# Altium PCB norbi_lm_#1.PcbDoc (part 3 of 5) (continued)
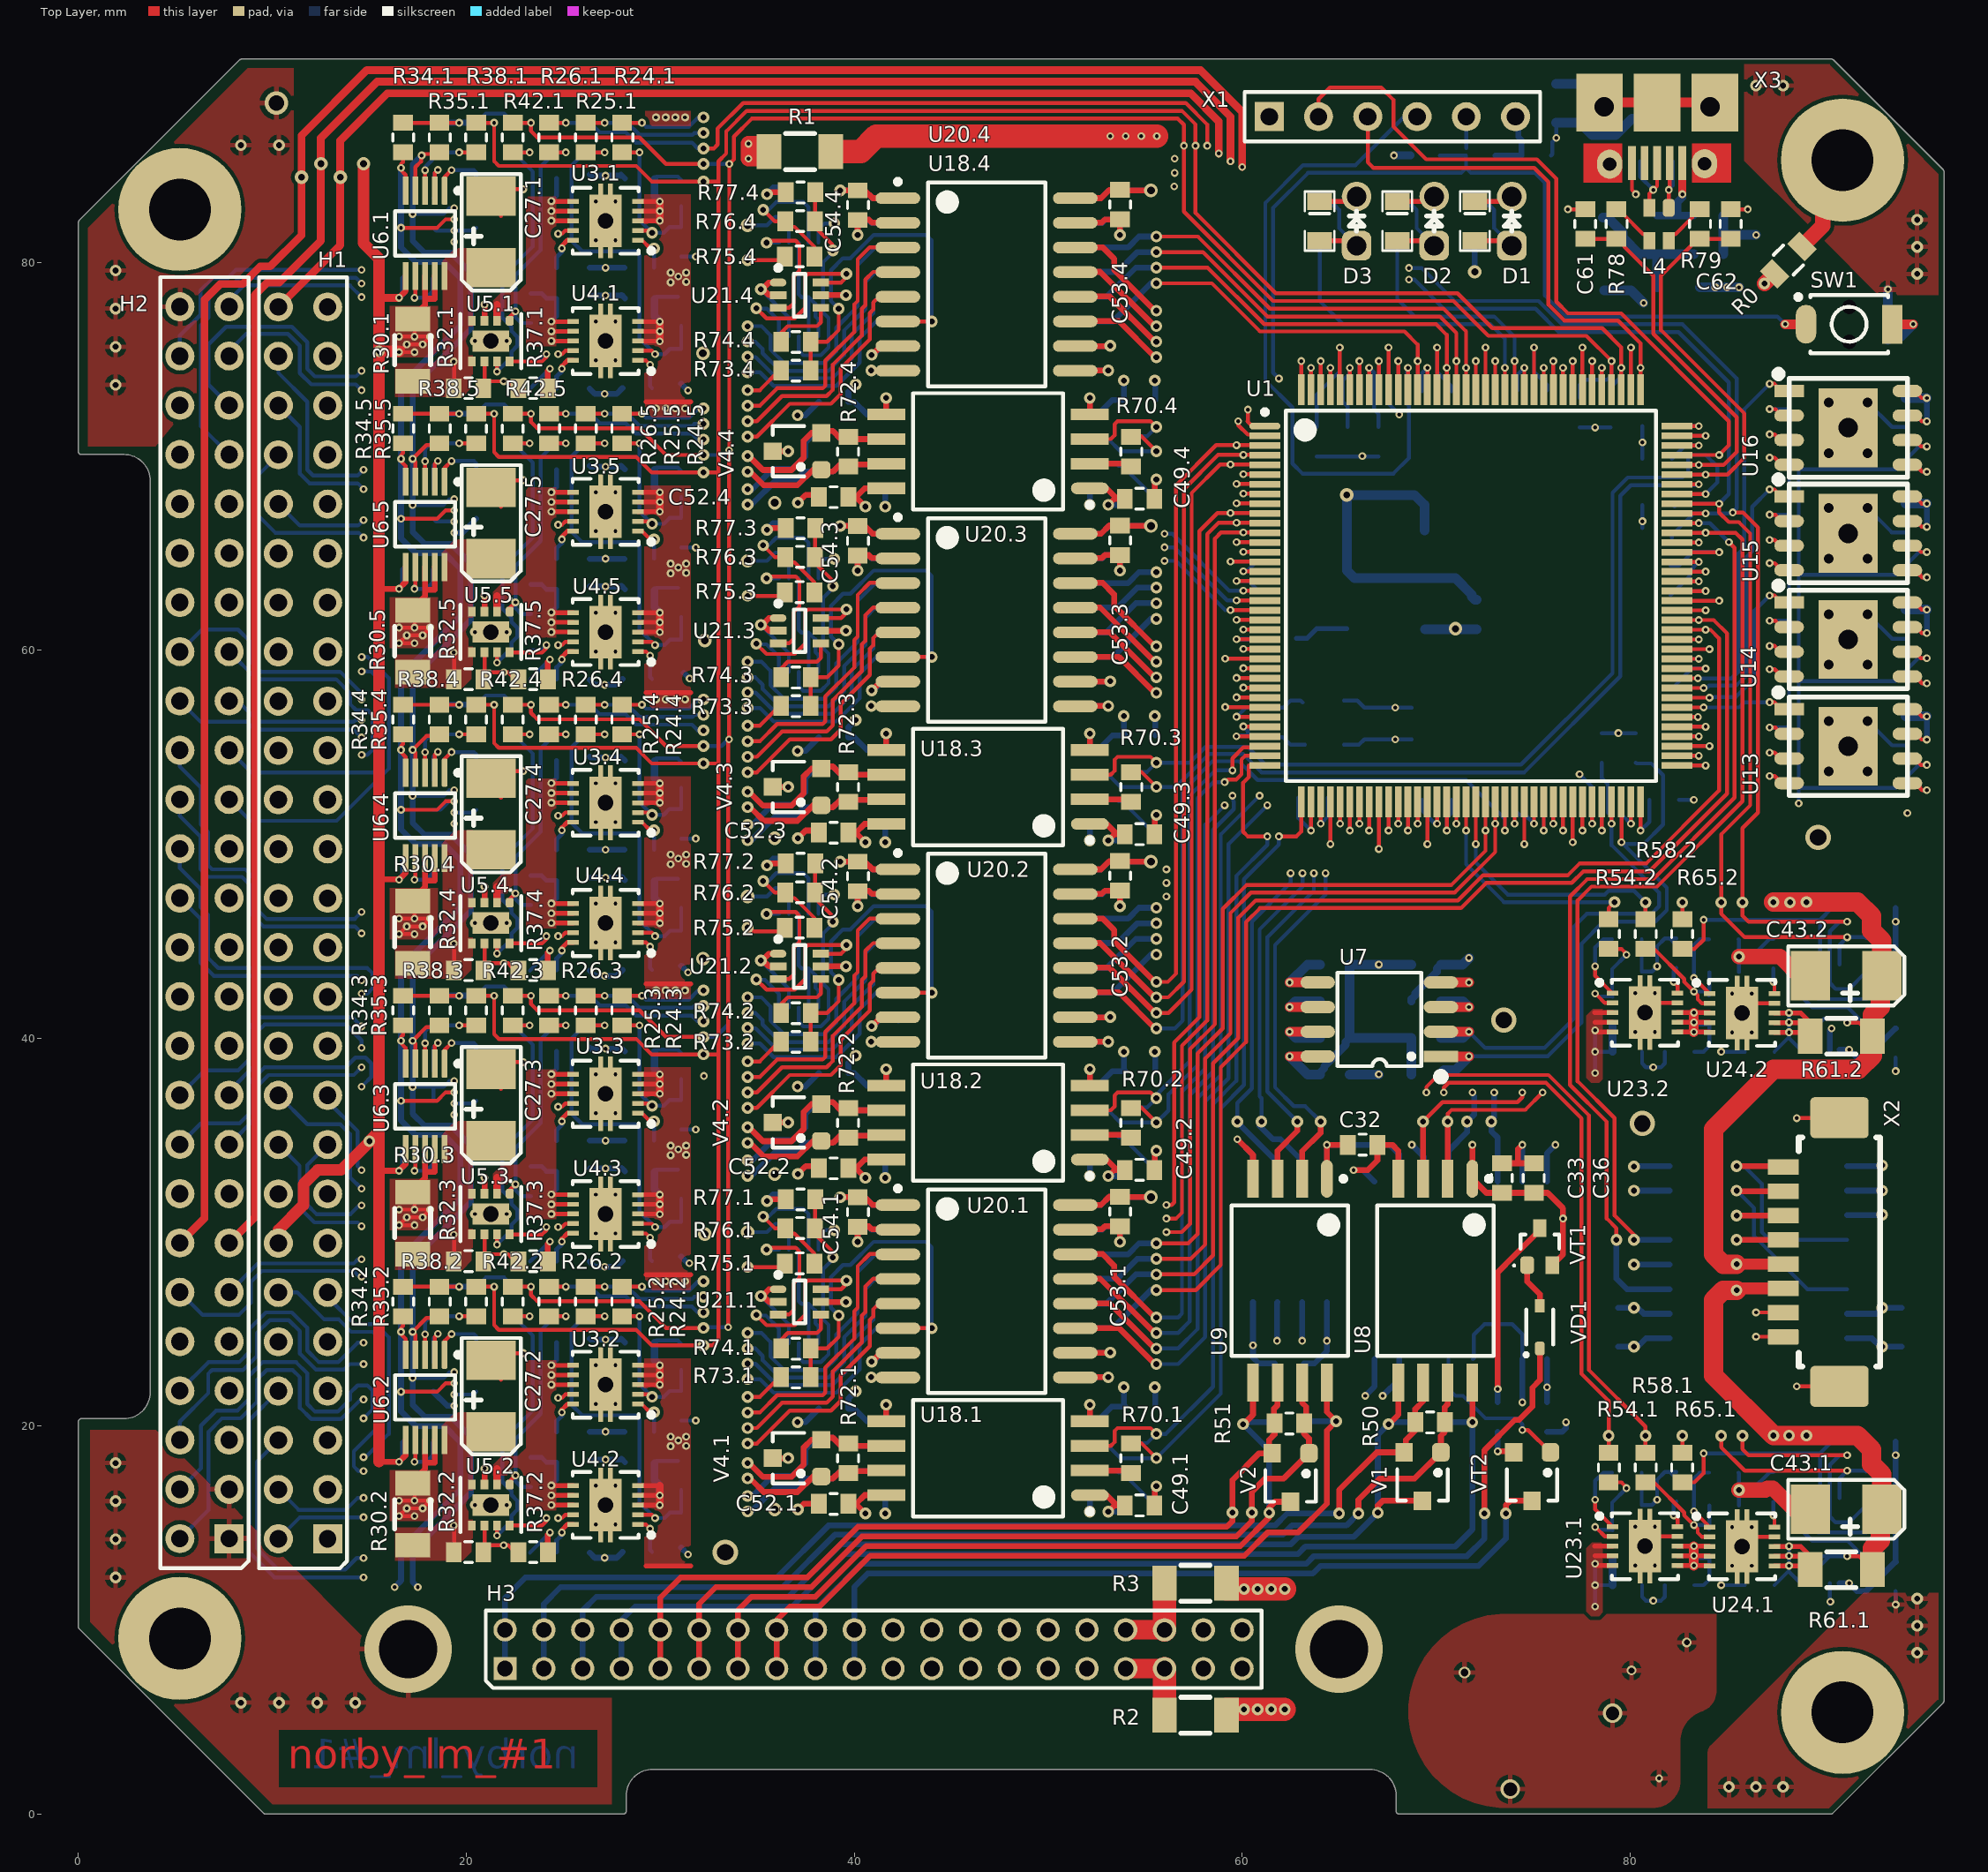
[diagram p0: Top Layer view]
## Nets (pads, with @x,y where several pads share a name; then routed paths per layer and width w, separated by ;. In a path a pad name is that pad's centre, name@x,y a point inside that pad or via, vN(x,y) a via of type N, cw(c..) or ccw(c..) an arc to the next point about the centre after c; other vN are vias at no path point) (continued)
  Top Layer w0.3: U5.2.3@20.937,16.982 v1(20.937,17.812) ; U5.3.3@20.937,31.982 v1(20.937,32.812) ; U5.4.3@20.937,46.982 v1(20.937,47.812) ; U5.5.3@20.937,61.982 v1(20.937,62.812) ; U5.1.3@20.937,76.982 v1(20.937,77.812) ; R37.2.1@24.202,13.493 24.202,14.402 v1(24.312,14.512) ; R37.3.1@24.202,28.493 24.202,29.402 v1(24.312,29.512) ; R37.4.1@24.202,43.493 24.202,44.402 v1(24.312,44.512) ; R37.5.1@24.202,58.493 24.202,59.402 v1(24.312,59.512) ; R37.1.1@24.202,73.493 24.202,74.402 v1(24.312,74.512) ; v2(35.5,31.6) 35.6,31.6 35.7,31.7 R77.1.1@36.476,31.7 R77.1.1@36.352,31.824 ; v2(35.5,48.9) 35.6,48.9 35.7,49 R77.2.1@36.476,49 R77.2.1@36.352,49.124 ; v2(35.5,66.2) 35.6,66.2 35.7,66.3 R77.3.1@36.476,66.3 R77.3.1@36.352,66.424 ; v2(35.5,83.5) 35.6,83.5 35.7,83.6 R77.4.1@36.476,83.6 R77.4.1@36.352,83.724 ; V4.1.3@35.8,18.35 v2(36.6,18.35) ; V4.2.3@35.8,35.65 v2(36.6,35.65) ; V4.3.3@35.8,52.95 v2(36.6,52.95) ; V4.4.3@35.8,70.25 v2(36.6,70.25) ; U21.1.2@36.081,26.4 35.608,26.4 35.281,26.727 35.604,27.05 U21.1.1@36.081,27.05 ; U21.2.2@36.081,43.7 35.608,43.7 35.281,44.027 35.604,44.35 U21.2.1@36.081,44.35 ; U21.3.2@36.081,61 35.608,61 35.281,61.327 35.604,61.65 U21.3.1@36.081,61.65 ; U21.4.2@36.081,78.3 35.608,78.3 35.281,78.627 35.604,78.95 U21.4.1@36.081,78.95 ; v2(37.1,15.7) 37.4,16 C52.1.1@38.176,16 ; v2(37.1,33) 37.5,33.4 38.076,33.4 C52.2.1@38.176,33.3 ; v2(37.1,50.3) 37.5,50.7 38.076,50.7 C52.3.1@38.176,50.6 ; v2(37.1,67.6) 37.5,68 38.076,68 C52.4.1@38.176,67.9 ; v2(40.178,29.5) C54.1.1@40.178,30.276 40.178,30.3 40.75,30.3 40.91,30.14 42.23,30.14 U20.1.2@42.35,30.02 ; v2(40.178,46.8) C54.2.1@40.178,47.576 40.178,47.6 40.75,47.6 40.91,47.44 42.23,47.44 U20.2.2@42.35,47.32 ; v2(40.178,64.1) C54.3.1@40.178,64.876 40.178,64.9 40.75,64.9 40.91,64.74 42.23,64.74 U20.3.2@42.35,64.62 ; v2(40.178,81.4) C54.4.1@40.178,82.176 40.178,82.2 40.75,82.2 40.91,82.04 42.23,82.04 U20.4.2@42.35,81.92 ; v2@40.878,22.5 41.278,22.5 41.378,22.4 U20.1.8@42.35,22.4 ; v2@40.878,39.8 41.278,39.8 41.378,39.7 U20.2.8@42.35,39.7 ; v2@40.878,57.1 41.278,57.1 41.378,57 U20.3.8@42.35,57 ; v2@40.878,74.4 41.278,74.4 41.378,74.3 U20.4.8@42.35,74.3 ; U18.1.5@41.65,20.25 v2(41.65,21.1) ; U18.2.5@41.65,37.55 v2(41.65,38.4) ; U18.3.5@41.65,54.85 v2(41.65,55.7) ; U18.4.5@41.65,72.15 v2(41.65,73) ; U20.1.9@51.5,22.4 51.62,22.52 v2(53.1,22.52) ; U20.1.15@51.5,30.02 51.62,30.14 52.76,30.14 52.92,30.3 C53.1.1@53.7,30.3 v2(53.7,29.5) ; U20.2.9@51.5,39.7 51.62,39.82 v2(53.1,39.82) ; U20.2.15@51.5,47.32 51.62,47.44 52.76,47.44 52.92,47.6 C53.2.1@53.7,47.6 v2(53.7,46.8) ; U20.3.9@51.5,57 51.62,57.12 v2(53.1,57.12) ; U20.3.15@51.5,64.62 51.62,64.74 52.76,64.74 52.92,64.9 C53.3.1@53.7,64.9 v2(53.7,64.1) ; U20.4.9@51.5,74.3 51.62,74.42 v2(53.1,74.42) ; U20.4.15@51.5,81.92 51.62,82.04 52.76,82.04 52.92,82.2 C53.4.1@53.7,82.2 v2(53.7,81.4) ; U18.1.4@52.15,20.25 v2(52.15,21.1) ; U18.2.4@52.15,37.55 v2(52.15,38.4) ; U18.3.4@52.15,54.85 v2(52.15,55.7) ; U18.4.4@52.15,72.15 v2(52.15,73) ; v2@55.5,16.666 55.5,15.924 C49.1.1@55.524,15.9 ; v2@55.5,33.966 55.5,33.224 C49.2.1@55.524,33.2 ; v2@55.5,51.266 55.5,50.524 C49.3.1@55.524,50.5 ; v2@55.5,68.566 55.5,67.824 C49.4.1@55.524,67.8 ; v1(59.75,34.788) 60.56,33.978 U9.4@60.56,32.75 ; v1(65.75,33.2) 66.474,33.2 66.974,33.7 C32.1@66.974,34.5 67.75,34.5 68.06,34.19 U8.4@68.06,32.75 ; v1(73.18,18.7) 73.95,18.7 VT2.2@74,18.65 ; C33.1@73.4,33.55 74.225,33.55 ; v1(74.45,34.5) 74.225,34.275 74.225,33.55 ; C36.1@75.05,33.55 74.225,33.55
  Top Layer w0.5: U7.4@70.25,42.87 v1(71.7,42.87)
  Top Layer w0.8: v2(85.624,16.7) 86.984,16.7 87.084,16.8 87.367,16.8 88.5,15.667 89.001,15.667 89.3,15.966 C43.1.2@89.3,15.712 ; v2(85.624,44.2) 87.734,44.2 88.884,43.05 89.3,43.466 C43.2.2@89.3,43.212 ; v2(86.93,78.9) 87.43,79.4 R0.2@87.46,79.4
  Bottom Layer w0.2: v1(17.332,18.161) 17.932,18.161 18.256,18.485 C29.2.1@18.256,19.161 ; v1(17.332,33.161) 17.932,33.161 18.256,33.485 C29.3.1@18.256,34.161 ; v1(17.332,48.161) 17.932,48.161 18.256,48.485 C29.4.1@18.256,49.161 ; v1(17.332,63.161) 17.932,63.161 18.256,63.485 C29.5.1@18.256,64.161 ; v1(17.332,78.161) 17.932,78.161 18.256,78.485 C29.1.1@18.256,79.161 ; R39.5.1@18.299,66.771 18.441,66.628 v1(19.378,66.628) ; R39.1.1@18.299,81.771 18.441,81.628 v1(19.378,81.628) 20.375,81.628 R40.1.1@20.517,81.771 ; v1(19.378,21.628) 20.375,21.628 R40.2.1@20.517,21.771 ; v1(19.378,36.628) 20.375,36.628 R40.3.1@20.517,36.771 ; v1(19.378,51.628) 20.375,51.628 R40.4.1@20.517,51.771 ; C28.2.1@23.278,13.478 C28.2.1@23.312,13.512 v1(24.312,14.512) ; C28.3.1@23.278,28.478 C28.3.1@23.312,28.512 v1(24.312,29.512) ; C28.4.1@23.278,43.478 C28.4.1@23.312,43.512 v1(24.312,44.512) ; C28.5.1@23.278,58.478 C28.5.1@23.312,58.512 v1(24.312,59.512) ; C28.1.1@23.278,73.478 C28.1.1@23.312,73.512 v1(24.312,74.512) ; v1(27.132,87.185) 28.308,87.185 28.932,86.561 31.659,86.561 31.759,86.661 v2(32.232,86.661) ; v1(29.057,87.185) 29.261,86.981 31.479,86.981 31.959,87.461 32.058,87.362 32.157,87.461 v2(32.232,87.461) ; R22.2.2@31.078,20.288 v1(31.832,20.288) ; R22.3.2@31.078,35.288 v1(31.832,35.288) ; R22.4.2@31.078,50.288 v1(31.832,50.288) ; R22.5.2@31.078,65.288 v1(31.832,65.288) ; R22.1.2@31.078,80.288 v1(31.832,80.288) ; v2(35.181,26.7) 36.632,25.249 U22.1.9@36.632,24.279 ; v2(35.181,44) 36.632,42.549 U22.2.9@36.632,41.579 ; v2(35.181,61.3) 36.632,59.849 U22.3.9@36.632,58.879 ; v2(35.181,78.6) 36.632,77.149 U22.4.9@36.632,76.179 ; U22.1.5@38.156,29.105 38.156,29.778 38.478,30.1 v2(38.978,30.1) ; U22.2.5@38.156,46.405 38.156,47.078 38.478,47.4 v2(38.978,47.4) ; U22.3.5@38.156,63.705 38.156,64.378 38.478,64.7 v2(38.978,64.7) ; U22.4.5@38.156,81.005 38.156,81.678 38.478,82 v2(38.978,82) ; v1(60.066,64.066) 60.242,64.066 60.8,64.624 C14.1@61.4,64.624 ; C17.1@62.9,52.4 62.9,51.35 v1(63.55,50.7) ; L2.2@65.245,57.4 65.94,57.4 66.3,57.04 v1(67.9,57.04) 68.734,57.04 C7.1@68.75,57.024 ; R7.1@67.574,73.35 67.574,72.676 v1(68.1,72.15) ; C18.1@69.276,52.278 69.276,51.724 69.95,51.05 v1(70.05,51.05) ; GK1.2@69.4,61.1 GK1.2@69.424,61.076 ; v1(70.05,75.6) 70.05,74.35 70.8,73.6 C16.1@70.8,73.35 ; U11.4@71.91,23.45 71.949,23.489 71.949,24.709 72.5,25.26 73.926,25.26 74.45,24.736 U11.2@74.45,23.45 ; C13.1@74,52.3 74,51.812 74.3,51.512 74.588,51.512 v1(75.05,51.05) ; v1(75.05,75.6) 75.05,74.35 75.724,73.676 C15.1@75.724,73.4 ; C5.1@75.924,85.5 75.991,85.567 75.991,86.191 v1(76.2,86.4) L5.2@76.2,87.2 ; v1(77.4,53.6) 78.1,52.9 C2.1@78.1,52.278 ; C58.2@78.6,78.617 C58.2@78.67,78.547 ; C40.1.1@80.6,17.6 R56.1.1@80.6,15.933 81.133,15.933 v1(81.4,16.2) 81.4,17.237 81.8,17.637 R55.1.1@82.4,17.637 ; C40.2.1@80.6,45.1 R56.2.1@80.6,43.433 81.133,43.433 v1(81.4,43.7) 81.4,44.737 81.8,45.137 R55.2.1@82.4,45.137 ; C38.1.1@80.624,11.8 80.624,11.2 80.824,11 81.6,11 81.8,11.2 C39.1.1@81.8,11.8 ; C38.2.1@80.624,39.3 80.624,38.7 80.824,38.5 81.6,38.5 81.8,38.7 C39.2.1@81.8,39.3 ; C1.1@80.645,69.867 C9.1@80.645,71.55 ; R55.1.1@82.084,17.6 R55.1.1@82.36,17.324 ; R55.2.1@82.084,45.1 R55.2.1@82.36,44.824 ; C10.1@82.1,62.837 83.071,63.807 83.071,64.071 v1(83.55,64.55) ; C11.1@82.169,58.026 83.2,59.057 83.2,59.066 83.884,59.066 v1(83.9,59.05) ; C12.1@82.52,52.278 v1(83.291,52.278) v1@83.295,52.274 ; v1(84.7,11.8) C41.1.1@85.926,11.8 ; v1(84.7,39.3) C41.2.1@85.926,39.3 ; C42.1.1@85.6,17.6 85.624,17.576 v2(85.624,16.7) ; C42.2.1@85.6,45.1 85.624,45.076 v2(85.624,44.2) ; R60.1.1@85.624,15.9 v2(85.624,16.7) ; R60.2.1@85.624,43.4 v2(85.624,44.2) ; R59.1.1@87.4,17.624 87.207,17.624 86.283,16.7 v2(85.624,16.7) ; R59.2.1@87.4,45.124 87.207,45.124 86.283,44.2 v2(85.624,44.2) ; U12.1.7@90.3,11.9 90.3,10.8 90.334,10.834 v1(90.334,10.95) ; U13.TP@92.252,56.35 93.509,55.093 94.183,55.093 C45.1@94.2,55.076 ; U14.TP@92.252,61.85 93.509,60.593 94.183,60.593 C46.1@94.2,60.576 ; U15.TP@92.252,67.32 93.496,66.076 C47.1@94.2,66.076 ; U16.TP@92.252,72.76 93.509,71.503 94.173,71.503 C48.1@94.2,71.476 ; v1(93.7,10.8) C44.1.1@93.7,11.5 ; v1(93.7,38.3) C44.2.1@93.7,39
  Bottom Layer w0.3: C25.2.1@26.354,18.282 v1(27.178,18.282) 27.972,18.282 28.002,18.312 C21.2.1@28.178,18.136 ; C23.2.1@26.354,24.512 26.405,24.461 v1(27.182,24.461) 27.927,24.461 27.978,24.512 C22.2.1@28.178,24.312 ; C25.3.1@26.354,33.282 v1(27.178,33.282) 27.972,33.282 28.002,33.312 C21.3.1@28.178,33.136 ; C23.3.1@26.354,39.512 26.405,39.461 v1(27.182,39.461) 27.927,39.461 27.978,39.512 C22.3.1@28.178,39.312 ; C25.4.1@26.354,48.282 v1(27.178,48.282) 27.972,48.282 28.002,48.312 C21.4.1@28.178,48.136 ; C23.4.1@26.354,54.512 26.405,54.461 v1(27.182,54.461) 27.927,54.461 27.978,54.512 C22.4.1@28.178,54.312 ; C25.5.1@26.354,63.282 v1(27.178,63.282) 27.972,63.282 28.002,63.312 C21.5.1@28.178,63.136 ; C23.5.1@26.354,69.512 26.405,69.461 v1(27.182,69.461) 27.927,69.461 27.978,69.512 C22.5.1@28.178,69.312 ; C25.1.1@26.354,78.282 v1(27.178,78.282) 27.972,78.282 28.002,78.312 C21.1.1@28.178,78.136 ; C23.1.1@26.354,84.512 26.405,84.461 v1(27.182,84.461) 27.927,84.461 27.978,84.512 C22.1.1@28.178,84.312 ; R29.2.1@26.357,13.478 26.624,13.212 v1(27.132,13.212) 27.754,13.212 C26.2.1@28.054,13.512 ; R23.2.1@26.357,19.712 v1(27.182,19.712) C24.2.1@28.154,19.712 ; R29.3.1@26.357,28.478 26.624,28.212 v1(27.132,28.212) 27.754,28.212 C26.3.1@28.054,28.512 ; R23.3.1@26.357,34.712 v1(27.182,34.712) C24.3.1@28.154,34.712 ; R29.4.1@26.357,43.478 26.624,43.212 v1(27.132,43.212) 27.754,43.212 C26.4.1@28.054,43.512 ; R23.4.1@26.357,49.712 v1(27.182,49.712) C24.4.1@28.154,49.712 ; R29.5.1@26.357,58.478 26.624,58.212 v1(27.132,58.212) 27.754,58.212 C26.5.1@28.054,58.512 ; R23.5.1@26.357,64.712 v1(27.182,64.712) C24.5.1@28.154,64.712 ; R29.1.1@26.357,73.478 26.624,73.212 v1(27.132,73.212) 27.754,73.212 C26.1.1@28.054,73.512 ; R23.1.1@26.357,79.712 v1(27.182,79.712) C24.1.1@28.154,79.712 ; R28.2.2@31.078,13.736 31.429,13.385 v1(31.432,13.385) ; R28.3.2@31.078,28.736 31.429,28.385 31.445,28.4 v1(31.5,28.4) ; R28.4.2@31.078,43.736 31.429,43.385 v1(31.432,43.385) ; R28.1.2@31.078,73.736 31.429,73.385 v1(31.432,73.385) ; R28.5.2@31.21,58.836 v1(31.51,58.536) ; v2@35.678,31.8 35.832,31.954 C57.1.1@36.61,31.954 ; v2@35.678,49.1 35.832,49.254 C57.2.1@36.61,49.254 ; v2@35.678,66.4 35.832,66.554 C57.3.1@36.61,66.554 ; v2@35.678,83.7 35.832,83.854 C57.4.1@36.61,83.854 ; V3.1.3@35.8,18.35 v2(36.6,18.35) ; V3.2.3@35.8,35.65 v2(36.6,35.65) ; V3.3.3@35.8,52.95 v2(36.6,52.95) ; V3.4.3@35.8,70.25 v2(36.6,70.25) ; v2(37.078,20.2) 37.476,20.2 C51.1.1@38.176,20.9 ; v2(37.078,37.5) 37.476,37.5 C51.2.1@38.176,38.2 ; v2(37.078,54.8) 37.476,54.8 C51.3.1@38.176,55.5 ; v2(37.078,72.1) 37.476,72.1 C51.4.1@38.176,72.8 ; v2(40.178,29.5) C55.1.1@40.178,30.3 40.716,30.3 40.891,30.125 U19.1.15@42.25,30.125 ; v2(40.178,46.8) C55.2.1@40.178,47.6 40.716,47.6 40.891,47.425 U19.2.15@42.25,47.425 ; v2(40.178,64.1) C55.3.1@40.178,64.9 40.716,64.9 40.891,64.725 U19.3.15@42.25,64.725 ; v2(40.178,81.4) C55.4.1@40.178,82.2 40.716,82.2 40.891,82.025 U19.4.15@42.25,82.025 ; v2(40.878,22.52) 41.278,22.52 41.378,22.42 U19.1.9@42.35,22.42 ; v2(40.878,39.82) 41.278,39.82 41.378,39.72 U19.2.9@42.35,39.72 ; v2(40.878,57.12) 41.278,57.12 41.378,57.02 U19.3.9@42.35,57.02 ; v2(40.878,74.42) 41.278,74.42 41.378,74.32 U19.4.9@42.35,74.32 ; v2(41.6,15.5) 41.6,16.39 U17.1.5@41.65,16.44 ; v2(41.6,32.8) 41.6,33.69 U17.2.5@41.65,33.74 ; v2(41.6,50.1) 41.6,50.99 U17.3.5@41.65,51.04 ; v2(41.6,67.4) 41.6,68.29 U17.4.5@41.65,68.34 ; U19.1.2@51.4,30.125 52.783,30.125 52.958,30.3 53.539,30.3 C56.1.1@53.7,30.139 ; U19.2.2@51.4,47.425 52.783,47.425 52.958,47.6 53.539,47.6 C56.2.1@53.7,47.439 ; U19.3.2@51.4,64.725 52.783,64.725 52.958,64.9 53.539,64.9 C56.3.1@53.7,64.739 ; U19.4.2@51.4,82.025 52.783,82.025 52.958,82.2 53.539,82.2 C56.4.1@53.7,82.039 ; U19.1.8@51.5,22.42 51.6,22.52 53,22.52 v2@53.1,22.42 ; U19.2.8@51.5,39.72 51.6,39.82 53,39.82 v2@53.1,39.72 ; U19.3.8@51.5,57.02 51.6,57.12 53,57.12 v2@53.1,57.02 ; U19.4.8@51.5,74.32 51.6,74.42 53,74.42 v2@53.1,74.32 ; v2(52.15,15.59) U17.1.4@52.15,16.415 U17.1.4@52.15,16.44 ; v2(52.15,32.89) U17.2.4@52.15,33.715 U17.2.4@52.15,33.74 ; v2(52.15,50.19) U17.3.4@52.15,51.015 U17.3.4@52.15,51.04 ; v2(52.15,67.49) U17.4.4@52.15,68.315 U17.4.4@52.15,68.34 ; v2(53.7,29.5) C56.1.1@53.7,30.3 ; v2(53.7,46.8) C56.2.1@53.7,47.6 ; v2(53.7,64.1) C56.3.1@53.7,64.9 ; v2(53.7,81.4) C56.4.1@53.7,82.2 ; v2(55.5,22) 55.5,22.031 55.524,22.055 C50.1.1@55.524,21 ; v2(55.5,39.3) 55.5,39.331 55.524,39.355 C50.2.1@55.524,38.3 ; v2(55.5,56.6) 55.5,56.631 55.524,56.655 C50.3.1@55.524,55.6 ; v2(55.5,73.9) 55.5,73.931 55.524,73.955 C50.4.1@55.524,72.9 ; v1(59.75,34.788) 60.56,33.978 U10.5@60.56,32.75 ; v1(65.75,33.2) 66.23,33.2 U11.9@66.83,32.6 ; v1(66.35,21.561) 66.83,22.041 U11.8@66.83,23.45 ; v1(68.75,34.5) 69.37,33.88 U11.11@69.37,32.6 ; v1(73.18,18.7) R52.2@73.18,19.7 ; v1(74.45,21.224) U11.2@74.45,23.45 ; U11.15@74.45,32.6 v1(74.45,34.5) ; C37.1@75.72,19.7 76.5,19.7 76.7,19.9 v1(76.7,20.2) ; C20.1@79.395,26.1 v2(80.2,26.1) 80.4,26.1 80.71,25.79 U2.2@82.05,25.79 ; v2@80.25,33.41 U2.8@82.05,33.41 ; v2@80.267,28.33 U2.4@82.05,28.33 ; U12.2.7@90.3,39.4 90.3,40.4 v1(90.4,40.5) ; U2.15@91.2,25.79 92.69,25.79 v2(93,26.1) C19.1@94,26.1 ; U2.11@91.2,30.87 v2@93,30.87 ; U2.9@91.2,33.41 v2@93,33.41
  Bottom Layer w0.4: v1(67.825,85.5) C3.1@68.676,85.5
  Bottom Layer w0.5: C30.1@65.55,38.13 v1(67.05,38.13) ; GK1.2@69.424,61.076 C4.1@72.1,61.076 ; L5.2@76.2,87.2 77.4,87.2 78.049,86.551 79.251,86.551 80.1,87.4 D5.2@82.2,87.4 ; C58.2@78.67,78.547 80.053,78.547 v1(80.7,77.9) ; C60.1@84.8,80.4 84.8,81.4 ; C59.1@84.8,82.4 84.8,81.4 ; v1(86.502,81.4) 84.8,81.4 ; R19.2@93.3,77.524 v1(93.3,78.6)
  other v1: 81.5,1.842 81.2,11 81.2,38.5 80.645,70.708
  other v2: 85.1,1.4 86.495,1.4 87.889,1.4 8.375,5.741 10.342,5.741 12.308,5.741 14.275,5.741 94.805,8.316 94.805,9.71 94.805,11.105 1.916,12.2 1.916,14.167 1.916,16.133 55.578,16.9 1.916,18.1 80.2,28.33 93,30.9 80.2,33.38 93,33.44 55.578,34.2 55.578,51.5 55.578,68.8 1.916,73.67 1.916,75.637 1.916,77.603 94.805,79.395 1.916,79.57 94.805,80.79 94.805,82.184 8.375,86.029 10.342,86.029 86.495,89.1 87.889,89.1
  other v4: 20.437,15.932 22.087,15.932 20.437,30.932 22.087,30.932 20.437,45.932 22.087,45.932 20.437,60.932 22.087,60.932 20.437,75.932 22.087,75.932
  other v5: 71,61.1
  other v6: 21.262,15.932 21.262,30.932 21.262,45.932 21.262,60.932 21.262,75.932
  other v7: 33.356,13.5 80.63,35.6 73.499,40.928 89.7,50.343
  other v8: 73.832,1.283 79.1,5.2
  other v9: 80.081,7.4 82.926,8.852
  other v10: 17,8.5 65,8.5
  other v11: 71.47,7.303
  other v12: 10.2,88.2
GND_A: C8.1 L2.1 U1.31 | length 5.3
  Top Layer w0.2: v1(59.716,56.566) U1.31@61.191,56.566
  Bottom Layer w0.2: v1(59.716,56.566) 60.192,57.042 C8.1@61.4,57.042 62.142,57.042 62.5,57.4 63.015,57.4 L2.1@63.115,57.3
I2C_GND: C35.1 H3.25 H3.26 U10.4 | length 41.7
  Signal Layer 1 w0.3: H3.25@46,7.5 H3.26@46,9.5 46,10.5 49.312,13.812 62.322,13.812 63.2,14.69 63.2,23.4 63.8,24 63.8,25.2 63.1,25.9 61.2,25.9 60.56,25.26 v1(60.56,24.161)
  Bottom Layer w0.3: U10.4@60.56,26.4 v1(60.56,24.161) 60.56,23.538 60.866,23.232 C35.1@61.676,23.232
I2C_SCL: H3.23 H3.24 U10.3 | length 35.4
  Signal Layer 1 w0.3: H3.23@44,7.5 H3.24@44,9.5 44,10.5 47.8,14.3 62.103,14.3 62.7,14.897 62.7,23.5 v1(61.8,24.4)
  Bottom Layer w0.3: v1(61.8,24.4) 61.8,26.37 U10.3@61.83,26.4
I2C_SCL_MC: R6.2 U1.139 U10.6 | length 49.4
  Top Layer w0.2: U1.139@65.55,73.425 v1(65.55,74.55)
  Signal Layer 1 w0.2: v1(62.5,48.5) 62.5,49.86 62.6,49.96 62.6,70.05 65.55,73 v1(65.55,74.55)
  Bottom Layer w0.2: v2(59.75,35.7) 59.75,36.653 60.5,37.403 60.5,46 62.5,48 v1(62.5,48.5) ; R6.2@65.439,71.5 65.439,72.561 65.2,72.8 65.2,73.912 65.55,74.262 v1(65.55,74.55)
  Bottom Layer w0.3: v2@59.75,35.661 61.83,33.581 U10.6@61.83,32.75
I2C_SDA: H3.21 H3.22 U10.2 | length 39.8
  Signal Layer 1 w0.3: H3.21@42,7.5 H3.22@42,9.5 42,10.5 46.3,14.8 61.879,14.8 62.188,15.109 62.188,22.412 61.2,23.4 61.2,24.8 61.6,25.2 62.7,25.2 63.1,24.8 v1@63.1,24.461
  Bottom Layer w0.3: v1(63.1,24.4) U10.2@63.1,26.4
I2C_SDA_MC: R5.2 U1.137 U10.7 | length 49.8
  Top Layer w0.2: U1.137@66.55,73.425 v1(66.55,74.55)
  Signal Layer 1 w0.2: v1@63.077,48.538 63.077,49.883 63,49.96 63,69.85 66.05,72.9 66.05,74.05 v1(66.55,74.55)
  Signal Layer 2 w0.2: v1@63.077,48.538 v1(63.115,48.5)
  Bottom Layer w0.2: v2(61,35.7) 61,36.9 60.9,37 60.9,45.6 63.115,47.815 v1(63.115,48.5) ; v1(66.55,74.55) 66.8,74.3 66.8,72.4 67.039,72.161 R5.2@67.039,71.5
  Bottom Layer w0.3: v2(61,35.7) 61,35.575 60.9,35.475 61.587,34.788 61.982,34.788 63.1,33.67 U10.7@63.1,32.75
I2C_VCC: C35.2 H3.27 H3.28 U10.1 | length 34.6
  Signal Layer 1 w0.3: H3.27@48,7.5 H3.28@48,9.5 48,10.6 50.7,13.3 62.517,13.3 63.7,14.483 63.7,23.05 64.37,23.72 v1(64.37,24.4)
  Bottom Layer w0.3: C35.2@63.2,23.232 63.737,23.232 64.37,23.865 v1(64.37,24.4) U10.1@64.37,26.4
INA+_1: R75.1.1 R76.1.2 U22.1.4 | length 8.5
  Top Layer w0.2: v2(35.307,30.8) 35.907,30.2 R76.1.2@36.454,30.2 36.454,30.046 36.58,29.92 36.92,29.92 37.946,28.895 R75.1.1@37.946,28.38
  Bottom Layer w0.2: v2(35.307,30.8) 35.585,30.8 35.985,31.2 37.378,31.2 37.648,30.93 U22.1.4@37.648,29.105
INA+_2: R75.2.1 R76.2.2 U22.2.4 | length 8.5
  Top Layer w0.2: v2(35.307,48.1) 35.907,47.5 R76.2.2@36.454,47.5 36.454,47.346 36.58,47.22 36.92,47.22 37.946,46.195 R75.2.1@37.946,45.68
  Bottom Layer w0.2: v2(35.307,48.1) 35.585,48.1 35.985,48.5 37.378,48.5 37.648,48.23 U22.2.4@37.648,46.405
INA+_3: R75.3.1 R76.3.2 U22.3.4 | length 8.5
  Top Layer w0.2: v2(35.307,65.4) 35.907,64.8 R76.3.2@36.454,64.8 36.454,64.646 36.58,64.52 36.92,64.52 37.946,63.495 R75.3.1@37.946,62.98
  Bottom Layer w0.2: v2(35.307,65.4) 35.585,65.4 35.985,65.8 37.378,65.8 37.648,65.53 U22.3.4@37.648,63.705
INA+_4: R75.4.1 R76.4.2 U22.4.4 | length 8.5
  Top Layer w0.2: v2(35.307,82.7) 35.907,82.1 R76.4.2@36.454,82.1 36.454,81.946 36.58,81.82 36.92,81.82 37.946,80.795 R75.4.1@37.946,80.28
  Bottom Layer w0.2: v2(35.307,82.7) 35.585,82.7 35.985,83.1 37.378,83.1 37.648,82.83 U22.4.4@37.648,81.005
INA-_1: R76.1.1 R77.1.2 U22.1.8 | length 11.3
  Top Layer w0.2: R77.1.2@37.946,31.7 37.978,31.668 R76.1.1@37.978,30.2 37.978,29.9 38.878,29 v2@38.878,28.7
  Bottom Layer w0.2: U22.1.8@37.14,24.279 37.14,23.538 37.378,23.3 38.278,23.3 38.678,23.7 38.678,25.222 38.4,25.5 38.4,28.1 38.9,28.6 v2(38.9,28.7)
INA-_2: R76.2.1 R77.2.2 U22.2.8 | length 11.3
  Top Layer w0.2: R77.2.2@37.946,49 37.978,48.968 R76.2.1@37.978,47.5 37.978,47.2 38.878,46.3 v2@38.878,46
  Bottom Layer w0.2: U22.2.8@37.14,41.579 37.14,40.838 37.378,40.6 38.278,40.6 38.678,41 38.678,42.522 38.4,42.8 38.4,45.4 38.9,45.9 v2(38.9,46)
INA-_3: R76.3.1 R77.3.2 U22.3.8 | length 11.3
  Top Layer w0.2: R77.3.2@37.946,66.3 37.978,66.268 R76.3.1@37.978,64.8 37.978,64.5 38.878,63.6 v2@38.878,63.3
  Bottom Layer w0.2: U22.3.8@37.14,58.879 37.14,58.138 37.378,57.9 38.278,57.9 38.678,58.3 38.678,59.822 38.4,60.1 38.4,62.7 38.9,63.2 v2(38.9,63.3)
INA-_4: R76.4.1 R77.4.2 U22.4.8 | length 11.3
  Top Layer w0.2: R77.4.2@37.946,83.6 37.978,83.568 R76.4.1@37.978,82.1 37.978,81.8 38.878,80.9 v2@38.878,80.6
  Bottom Layer w0.2: U22.4.8@37.14,76.179 37.14,75.438 37.378,75.2 38.278,75.2 38.678,75.6 38.678,77.122 38.4,77.4 38.4,80 38.9,80.5 v2(38.9,80.6)
INTERRUPT: U1.67 U20.4.12 | length 57.7
  Top Layer w0.2: v1(78.05,51.05) U1.67@78.05,52.175
  Top Layer w0.3: U20.4.12@51.5,78.11 51.62,78.23 53.17,78.23 v2@55.5,75.9
  Signal Layer 1 w0.2: v2(55.578,75.9) 56.1,75.9 56.9,75.1 56.9,50.834 61.434,46.3 68.7,46.3 69.7,47.3 75.7,47.3 78.05,49.65 v1@78.05,50.9
INTERRUPT_PL: H2.49 U20.4.5 | length 46.5
  Top Layer w0.2: v2(34.5,71) 34.978,71 36.678,72.7 38.8,72.7 39.3,73.2 39.3,74.522 40.8,76.022 40.8,77.372 40.978,77.55 40.978,77.918 41.29,78.23 42.23,78.23 U20.4.5@42.35,78.11
  Signal Layer 1 w0.2: v1(14.6,73.4) 15.434,73.4 15.734,73.1 19.6,73.1 21,71.7 21.78,71.7 22.98,72.9 25.269,72.9 25.669,73.3 26.3,73.3 26.9,72.7 27.401,72.7 28.001,73.3 30.566,73.3 31.166,73.9 31.649,73.9 31.949,73.6 32.67,73.6 32.9,73.37 32.9,71.4 33.33,70.97 v2@34.5,70.97
  Bottom Layer w0.2: H2.49@7.77,75.16 7.77,75.423 8.648,76.3 10.803,76.3 11.416,75.687 11.416,74.284 12,73.7 14.3,73.7 v1(14.6,73.4)
KU_1_PL2: U1.128 U19.4.4 | length 24.7
  Top Layer w0.2: v2(55.578,80.52) 57.98,80.52 61.3,77.2 70.2,77.2 71.05,76.35 v1(71.05,74.9) U1.128@71.05,73.425
  Bottom Layer w0.3: U19.4.4@51.5,79.4 51.6,79.5 53.578,79.5 54.598,80.52 v2(55.578,80.52)
KU_1_PL_PL2: U19.4.13 | length 11.9
  Bottom Layer w0.2: v2@34.778,75.9 34.9,75.9 35.278,75.522 35.278,75.3 36.178,74.4 38.678,74.4 39.478,75.2 39.478,76.475 40.578,77.575 40.578,78.978 41.085,79.485 U19.4.13@42.25,79.485
  other v2: 34.5,75.9
KU_2_PL1.1A: U1.87 U19.1.5 | length 63.7
  Top Layer w0.2: v2(55.578,27.82) 57.52,27.82 58.5,28.8 58.5,38.7 59.8,40 59.8,46.2 60.7,47.1 71.125,47.1 72.425,48.4 76.8,48.4 77.4,49 80.834,49 84.6,52.766 84.6,60.6 84.15,61.05 v1(83.9,61.05) U1.87@82.425,61.05
  Bottom Layer w0.3: U19.1.5@51.5,26.23 51.585,26.315 53.015,26.315 54.52,27.82 v2(55.578,27.82)
KU_2_PL1.1B: U1.91 U19.2.5 | length 52.2
  Top Layer w0.2: U1.91@82.425,63.05 v1(83.9,63.05)
  Signal Layer 1 w0.2: v2(55.578,45.12) 60.313,45.12 60.733,44.7 69.5,44.7 70.5,45.7 76.5,45.7 79,48.2 81.8,48.2 86.2,52.6 86.2,61.624 84.774,63.05 v1(83.9,63.05)
  Bottom Layer w0.3: U19.2.5@51.5,43.53 51.585,43.615 53.015,43.615 54.52,45.12 v2(55.578,45.12)
KU_2_PL1.2: U1.125 U19.3.5 | length 35.3
  Top Layer w0.2: U1.125@72.55,73.425 v1(72.55,75.6)
  Signal Layer 2 w0.2: v2@55.578,62.41 56.26,62.41 57.4,63.55 57.4,71.5 62.7,76.8 71.9,76.8 72.55,76.15 v1(72.55,75.6)
  Bottom Layer w0.3: U19.3.5@51.5,60.83 51.585,60.915 53.015,60.915 54.52,62.42 v2(55.578,62.42)
KU_2_PL2: U1.129 U19.4.5 | length 24
  Top Layer w0.2: v2(55.578,79.72) 58.218,79.72 61.138,76.8 70,76.8 70.55,76.25 v1(70.55,74.55) U1.129@70.55,73.425
  Bottom Layer w0.3: U19.4.5@51.5,78.13 51.585,78.215 53.015,78.215 54.52,79.72 v2(55.578,79.72)
KU_2_PL_PL1.1A: U19.1.12 | length 11.1
  Bottom Layer w0.2: v2@34.5,23.21 34.918,23.21 36.008,22.12 38.878,22.12 39.878,23.12 39.878,24.378 40.978,25.478 40.978,26.02 41.188,26.23 U19.1.12@42.35,26.23
  other v2: 34.5,23.22
KU_2_PL_PL1.1B: U19.2.12 | length 11.1
  Bottom Layer w0.2: v2@34.5,40.51 34.918,40.51 36.008,39.42 38.878,39.42 39.878,40.42 39.878,41.678 40.978,42.778 40.978,43.32 41.188,43.53 U19.2.12@42.35,43.53
  other v2: 34.5,40.52
KU_2_PL_PL2: U19.4.12 | length 11.1
  Bottom Layer w0.2: v2@34.5,75.11 34.918,75.11 36.008,74.02 38.878,74.02 39.878,75.02 39.878,76.278 40.978,77.378 40.978,77.92 41.188,78.13 U19.4.12@42.35,78.13
  other v2: 34.5,75.12
KU_3_PL1.1A: U1.88 U19.1.6 | length 65.7
  Top Layer w0.2: v2(55.578,27.01) 57.61,27.01 58.9,28.3 58.9,38.5 60.2,39.8 60.2,45.978 60.922,46.7 71.291,46.7 72.591,48 77,48 77.6,48.6 81,48.6 85,52.6 85,60.866 84.316,61.55 v1(83.55,61.55) U1.88@82.425,61.55
  Bottom Layer w0.3: U19.1.6@51.5,24.96 51.585,25.045 53.325,25.045 55.3,27.02 55.31,27.01 v2(55.578,27.01)
KU_3_PL1.1B: U1.92 U19.2.6 | length 53.6
  Top Layer w0.2: U1.92@82.425,63.55 v1(83.55,63.55)
  Signal Layer 1 w0.2: v2(55.578,44.31) 69.71,44.31 70.7,45.3 76.655,45.3 79.167,47.812 82.037,47.812 86.6,52.375 86.6,61.8 84.85,63.55 v1(83.55,63.55)
  Bottom Layer w0.3: U19.2.6@51.5,42.26 51.585,42.345 53.325,42.345 55.3,44.32 55.31,44.31 v2(55.578,44.31)
KU_3_PL1.2: U1.126 U19.3.6 | length 35.1
  Top Layer w0.2: U1.126@72.05,73.425 v1(72.05,74.9)
  Signal Layer 2 w0.2: v2(55.578,61.61) 56.245,61.61 57.8,63.165 57.8,71.334 62.896,76.43 71.702,76.43 72.05,76.082 v1(72.05,74.9)
  Bottom Layer w0.3: U19.3.6@51.5,59.56 51.585,59.645 53.325,59.645 55.3,61.62 55.31,61.61 v2(55.578,61.61)
KU_3_PL2: U1.132 U19.4.6 | length 22
  Top Layer w0.2: v2(55.578,78.91) 58.44,78.91 60.92,76.43 68.37,76.43 69.05,75.75 v1(69.05,74.9) U1.132@69.05,73.425
  Bottom Layer w0.3: U19.4.6@51.5,76.86 51.585,76.945 53.325,76.945 55.3,78.92 55.31,78.91 v2(55.578,78.91)
KU_3_PL_PL1.1A: U19.1.11 | length 10.3
  Bottom Layer w0.2: v2(34.5,22.42) 35.142,22.42 35.842,21.72 39.078,21.72 40.278,22.92 40.278,24.184 41.139,25.045 U19.1.11@42.25,25.045 42.265,25.045 U19.1.11@42.35,24.96
KU_3_PL_PL1.1B: U19.2.11 | length 10.3
  Bottom Layer w0.2: v2(34.5,39.72) 35.142,39.72 35.842,39.02 39.078,39.02 40.278,40.22 40.278,41.484 41.139,42.345 U19.2.11@42.25,42.345 42.265,42.345 U19.2.11@42.35,42.26